# KiCad board EasyRP2040.kicad_pcb
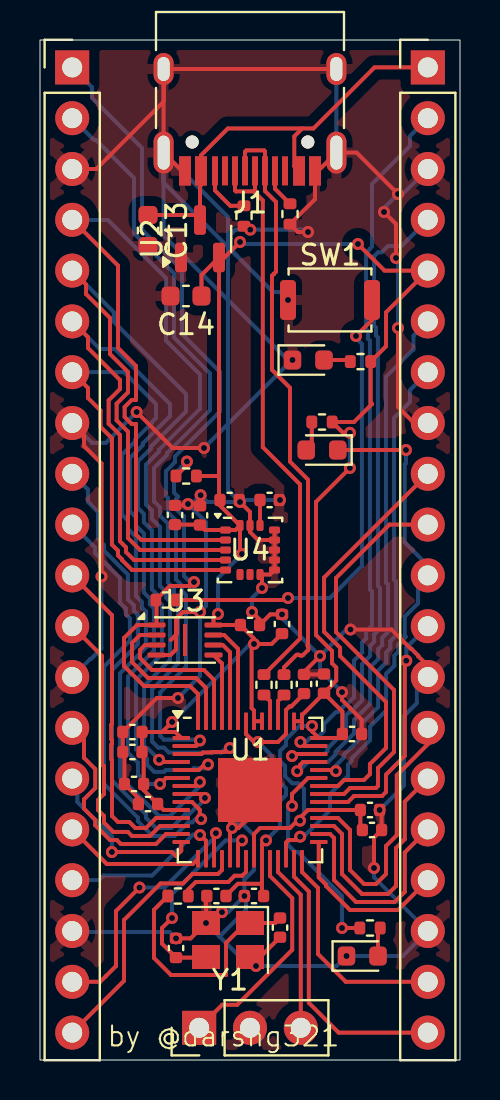
[diagram p0: board, top side]
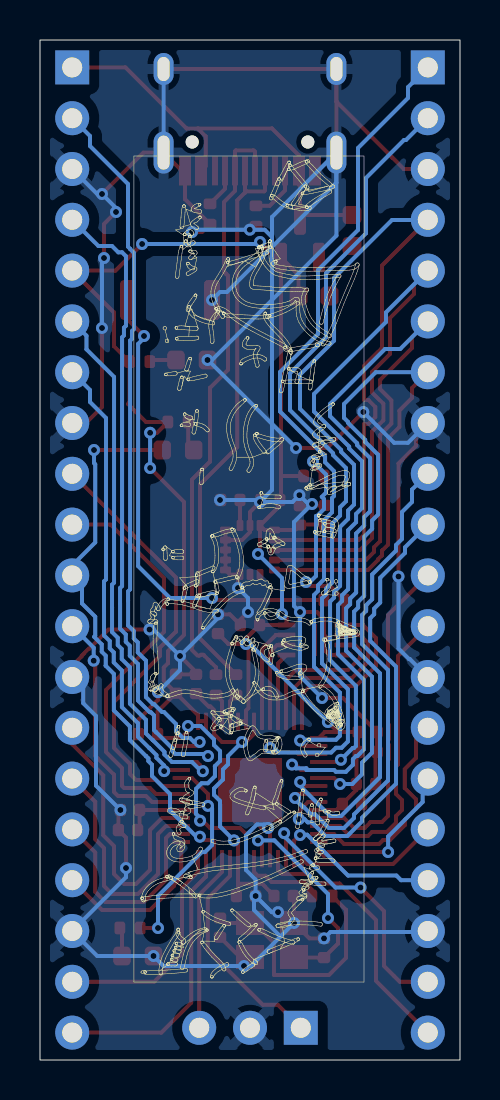
[diagram p1: board, bottom side, seen from below]

Outline 21 x 51 mm; copper layers: Top, Bottom. Coordinates in mm from the lower left corner of the outline.
Outline path: rectangle 0,51 21,0

## Placement (name value [footprint] x y rotation side)
C1  0.1uF  [C_0402_1005Metric]  12.1 21.8 90 top
C2  0.1uF  [C_0402_1005Metric]  4.62 15.4 180 top
C3  0.1uF  [C_0402_1005Metric]  4.7 13.8 180 top
C4  0.1uF  [C_0402_1005Metric]  14.2 18.82 90 top
C5  0.1uF  [C_0402_1005Metric]  16.5 12.5 0 top
C6  0.1uF  [C_0402_1005Metric]  5.4 12.8 180 top
C7  0.1uF  [C_0402_1005Metric]  4.62 16.4 180 top
C8  0.1uF  [C_0402_1005Metric]  15.6 16.3 0 top
C9  1uF  [C_0402_1005Metric]  16.6 11.5 0 top
C10  0.1uF  [C_0402_1005Metric]  10.7 8.2 180 top
C11  0.1uF  [C_0402_1005Metric]  8.82 8.2 180 top
C12  1uF  [C_0402_1005Metric]  13.2 18.8 90 top
C13  10uF  [C_0603_1608Metric]  5.4 41.47 270 top
C14  10uF  [C_0603_1608Metric]  7.3 38.2 180 top
C15  33pF  [C_0402_1005Metric]  6.8 5.6 270 top
C16  33pF  [C_0402_1005Metric]  12 6.62 90 top
C17  0.1uF  [C_0402_1005Metric]  10.5 21.75 0 top
C18  0.1uF  [C_0402_1005Metric]  11.48 28 0 top
C19  10nF  [C_0402_1005Metric]  9.48 28 0 top
C20  0.1uF  [C_0402_1005Metric]  8 27.23 270 top
C21  2.2uF  [C_0402_1005Metric]  6.75 27.25 270 top
D1  LED  [LED_0603_1608Metric]  13.41 35 0 top
D2  LED  [LED_0603_1608Metric]  14.1 30.5 180 top
D3  LED  [LED_0603_1608Metric]  16.11 5.2 0 top
J1  USB_C_Receptacle_USB2.0_14P  [USB_C_Receptacle_HRO_TYPE-C-31-M-12]  10.5 48.5 180 top
J2  Conn_01x20  [PinHeader_1x20_P2.54mm_Vertical]  1.61 49.63 0 top
J3  Conn_01x20  [PinHeader_1x20_P2.54mm_Vertical]  19.39 49.63 0 top
J4  Conn_01x03  [PinHeader_1x03_P2.54mm_Vertical]  7.96 1.61 90 top
R1  5.1K  [R_0402_1005Metric]  12.5 42.3 270 top
R2  5.1K  [R_0402_1005Metric]  10.2 42.2 270 top
R3  27  [R_0402_1005Metric]  11.2 18.76 270 top
R4  27  [R_0402_1005Metric]  12.2 18.76 270 top
R5  1K  [R_0402_1005Metric]  6.9 8.2 0 top
R6  10K  [R_0402_1005Metric]  7.31 29.2 180 top
R7  1K  [R_0402_1005Metric]  6.3 23 0 top
R8  680  [R_0402_1005Metric]  16.03 34.92 180 top
R9  680  [R_0402_1005Metric]  14.1 31.9 180 top
R10  680  [R_0402_1005Metric]  16.5 6.6 0 top
SW1  SW_Push  [SW_Push_SPST_NO_Alps_SKRK]  14.5 38 0 top
U1  RP2040  [QFN-56-1EP_7x7mm_P0.4mm_EP3.2x3.2mm]  10.5 13.5 0 top
U2  MCP1700x-330xxTT  [SOT-23]  8 41.06 90 top
U3  W25Q128JVS  [Winbond_USON-8-1EP_3x2mm_P0.5mm_EP0.2x1.6mm]  7.25 21 0 top
U4  ICM-20602  [LGA-16_3x3mm_P0.5mm_LayoutBorder3x5y]  10.5 25.5 0 top
Y1  12MHz  [Crystal_SMD_3225-4Pin_3.2x2.5mm]  9.4 6 180 top

## Library data of the parts
C1-C21 = -: Description: Unpolarized capacitor; ki_fp_filters: C_*
D1-D3 = -: Description: Light emitting diode; Sim.Pins: 1=K 2=A; ki_fp_filters: LED* LED_SMD:* LED_THT:*
J1 = -: Datasheet: https://www.usb.org/sites/default/files/documents/usb_type-c.zip; Description: USB 2.0-only 14P Type-C Receptacle connector; ki_fp_filters: USB*C*Receptacle*
J2 J3 = -: Description: Generic connector, single row, 01x20, script generated (kicad-library-utils/schlib/autogen/connector/); ki_fp_filters: Connector*:*_1x??_*
J4 = -: Description: Generic connector, single row, 01x03, script generated (kicad-library-utils/schlib/autogen/connector/); ki_fp_filters: Connector*:*_1x??_*
R1-R10 = -: Description: Resistor; ki_fp_filters: R_*
SW1 = -: Description: Push button switch, generic, two pins
U1 = -: Datasheet: https://datasheets.raspberrypi.com/rp2040/rp2040-datasheet.pdf; Description: A microcontroller by Raspberry Pi; ki_fp_filters: QFN*1EP*7x7mm?P0.4mm*
U2 = -: Datasheet: http://ww1.microchip.com/downloads/en/DeviceDoc/20001826D.pdf; Description: 250mA Low Quiscent Current LDO, 3.3V output, SOT-23; ki_fp_filters: SOT?23*
U3 = -: Datasheet: https://www.winbond.com/resource-files/w25q128jv_dtr%20revc%2003272018%20plus.pdf; Description: 128Mbit / 16MiB Serial Flash Memory, Standard/Dual/Quad SPI, 2.7-3.6V, SOIC-8; ki_fp_filters: *SOIC*5.3x5.3mm*P1.27mm*
U4 = -: Datasheet: http://www.invensense.com/wp-content/uploads/2016/10/DS-000176-ICM-20602-v1.0.pdf; Description: High performance 6-Axis MEMS motion tracking, SPI/I2C interface, LGA-16; ki_fp_filters: LGA*3x3mm*P0.5mm*
Y1 = -: Description: Four pin crystal, GND on pins 2 and 4; ki_fp_filters: Crystal*

## Footprints (pads in the part's own frame, mm; a bottom-side part is the same pattern mirrored in y, then rotated)
C_0402_1005Metric
  rrect 0.56x0.62 smd: 1(-0.48,0) 2(0.48,0)
C_0603_1608Metric
  rrect 0.9x0.95 smd: 1(-0.775,0) 2(0.775,0)
Crystal_SMD_3225-4Pin_3.2x2.5mm
  rect 1.4x1.2 smd: 1(-1.1,-0.85) 2(1.1,-0.85) 3(1.1,0.85) 4(-1.1,0.85)
LED_0603_1608Metric
  rrect 0.875x0.95 smd: 1(-0.787,0) 2(0.787,0)
LGA-16_3x3mm_P0.5mm_LayoutBorder3x5y
  rrect 0.55x0.35 smd: 1(-1.225,1) 2(-1.225,0.5) 3(-1.225,0) 4(-1.225,-0.5) 5(-1.225,-1) 9(1.225,-1) 10(1.225,-0.5) 11(1.225,0) 12(1.225,0.5) 13(1.225,1)
  rrect 0.35x0.55 smd: 6(-0.5,-1.225) 7(0,-1.225) 8(0.5,-1.225) 14(0.5,1.225) 15(0,1.225) 16(-0.5,1.225)
PinHeader_1x03_P2.54mm_Vertical
  rect 1.7x1.7 hole 1: 1(0,0)
  round 1.7 hole 1: 2(0,-2.54) 3(0,-5.08)
PinHeader_1x20_P2.54mm_Vertical
  rect 1.7x1.7 hole 1: 1(0,0)
  round 1.7 hole 1: 2(0,-2.54) 3(0,-5.08) 4(0,-7.62) 5(0,-10.16) 6(0,-12.7) 7(0,-15.24) 8(0,-17.78) 9(0,-20.32) 10(0,-22.86) 11(0,-25.4) 12(0,-27.94) 13(0,-30.48) 14(0,-33.02) 15(0,-35.56) 16(0,-38.1) 17(0,-40.64) 18(0,-43.18) 19(0,-45.72) 20(0,-48.26)
QFN-56-1EP_7x7mm_P0.4mm_EP3.2x3.2mm
  rrect 1.29x1.29 smd: (-0.8,0.8) (-0.8,-0.8) (0.8,0.8) (0.8,-0.8)
  rrect 0.875x0.2 smd: 1(-3.438,2.6) 2(-3.438,2.2) 3(-3.438,1.8) 4(-3.438,1.4) 5(-3.438,1) 6(-3.438,0.6) 7(-3.438,0.2) 8(-3.438,-0.2) 9(-3.438,-0.6) 10(-3.438,-1) 11(-3.438,-1.4) 12(-3.438,-1.8) 13(-3.438,-2.2) 14(-3.438,-2.6) 29(3.438,-2.6) 30(3.438,-2.2) 31(3.438,-1.8) 32(3.438,-1.4) 33(3.438,-1) 34(3.438,-0.6) 35(3.438,-0.2) 36(3.438,0.2) 37(3.438,0.6) 38(3.438,1) 39(3.438,1.4) 40(3.438,1.8) 41(3.438,2.2) 42(3.438,2.6)
  rrect 0.2x0.875 smd: 15(-2.6,-3.438) 16(-2.2,-3.438) 17(-1.8,-3.438) 18(-1.4,-3.438) 19(-1,-3.438) 20(-0.6,-3.438) 21(-0.2,-3.438) 22(0.2,-3.438) 23(0.6,-3.438) 24(1,-3.438) 25(1.4,-3.438) 26(1.8,-3.438) 27(2.2,-3.438) 28(2.6,-3.438) 43(2.6,3.438) 44(2.2,3.438) 45(1.8,3.438) 46(1.4,3.438) 47(1,3.438) 48(0.6,3.438) 49(0.2,3.438) 50(-0.2,3.438) 51(-0.6,3.438) 52(-1,3.438) 53(-1.4,3.438) 54(-1.8,3.438) 55(-2.2,3.438) 56(-2.6,3.438)
  rect 3.2x3.2 smd: 57(0,0)
R_0402_1005Metric
  rrect 0.54x0.64 smd: 1(-0.51,0) 2(0.51,0)
SOT-23
  rrect 1.475x0.6 smd: 1(-0.938,0.95) 2(-0.938,-0.95) 3(0.938,0)
SW_Push_SPST_NO_Alps_SKRK
  rrect 0.8x2 smd: 1(-2.1,0) 2(2.1,0)
USB_C_Receptacle_HRO_TYPE-C-31-M-12
  round 0.65 hole 0.65 unplated: (-2.89,2.6) (2.89,2.6)
  rect 0.6x1.45 smd: A1(-3.25,4.045) A4(-2.45,4.045) A9(2.45,4.045) A12(3.25,4.045) B1(3.25,4.045) B4(2.45,4.045) B9(-2.45,4.045) B12(-3.25,4.045)
  rect 0.3x1.45 smd: A5(-1.25,4.045) A6(-0.25,4.045) A7(0.25,4.045) A8(1.25,4.045) B5(1.75,4.045) B6(0.75,4.045) B7(-0.75,4.045) B8(-1.75,4.045)
  oval 1x2.1 hole 0.6x1.7: S1(-4.32,3.13) S1(4.32,3.13)
  oval 1x1.6 hole 0.6x1.2: S1(-4.32,-1.05) S1(4.32,-1.05)
Winbond_USON-8-1EP_3x2mm_P0.5mm_EP0.2x1.6mm
  rrect 0.16x1.29 smd: (0,0)
  rrect 0.9x0.25 smd: 1(-1.425,0.75) 2(-1.425,0.25) 3(-1.425,-0.25) 4(-1.425,-0.75) 5(1.425,-0.75) 6(1.425,-0.25) 7(1.425,0.25) 8(1.425,0.75)
  rect 0.2x1.6 smd: 9(0,0)

## Nets
+1V1: C10.1 C11.1 C12.1 U1.23 U1.45 U1.50
+3V3: C1.1 C2.1 C3.1 C4.1 C5.1 C6.1 C7.1 C8.1 C9.1 C14.1 C17.1 C19.1 C20.2 C21.2 J3.5 R6.1 R8.1 R9.1 U1.1 U1.10 U1.22 U1.33 U1.42 U1.43 U1.44 U1.48 U1.49 U2.2 U3.8 U4.1 U4.16
GND: C1.2 C2.2 C3.2 C4.2 C5.2 C6.2 C7.2 C8.2 C9.2 C10.2 C11.2 C12.2 C13.2 C14.2 C15.1 C16.1 C17.2 C18.2 C19.2 C20.1 C21.1 D1.1 D3.1 J1.A1 J1.A12 J1.B1 J1.B12 J1.S1 J2.3 J2.8 J2.13 J2.18 J3.3 J3.8 J3.13 J3.18 J4.2 R1.2 R2.2 SW1.1 U1.19 U1.57 U2.1 U3.4 U4.8 U4.9 U4.10 U4.11 U4.12 U4.13 U4.15 Y1.2 Y1.4
VBUS: C13.1 J1.A4 J1.A9 J1.B4 J1.B9 J3.1 U2.3
GPIO0: J2.1 U1.2
GPIO1: J2.2 U1.3
GPIO2: J2.4 U1.4 U4.2
GPIO3: J2.5 U1.5 U4.3
GPIO4: J2.6 U1.6 U4.4
GPIO5: J2.7 U1.7 U4.5
GPIO6: J2.9 U1.8
GPIO7: J2.10 U1.9
GPIO8: J2.11 U1.11
GPIO9: J2.12 U1.12
GPIO10: J2.14 U1.13
GPIO11: J2.15 U1.14
GPIO12: J2.16 U1.15
GPIO13: J2.17 U1.16
GPIO14: J2.19 U1.17
GPIO15: J2.20 U1.18
GPIO16: J3.20 U1.27
GPIO17: J3.19 U1.28
GPIO18: J3.17 U1.29
GPIO19: J3.16 U1.30
GPIO20: J3.15 U1.31
GPIO21: J3.14 U1.32
GPIO22: J3.12 U1.34
GPIO23: J3.10 U1.35
GPIO24: J3.9 U1.36
GPIO25: R10.1 U1.37
GPIO26_ADC0: J3.7 U1.38
GPIO27_ADC1: J3.6 U1.39
GPIO28_ADC2: J3.4 U1.40
GPIO29_ADC3: J3.2 U1.41
QSPI_CLK: U1.52 U3.6
QSPI_SD0: U1.53 U3.5
QSPI_SD1: U1.55 U3.2
QSPI_SD2: U1.54 U3.3
QSPI_SD3: U1.51 U3.7
QSPI_SS: R6.2 R7.1 U1.56 U3.1
RUN: D2.1 J3.11 U1.26
SWCLK: J4.1 U1.24
SWD: J4.3 U1.25
USB_D+: J1.A6 J1.B6 R3.1
USB_D-: J1.A7 J1.B7 R4.1
XIN: C15.2 U1.20 Y1.3
XOUT: R5.2 U1.21
Net-(C16-Pad2): C16.2 R5.1 Y1.1
Net-(D1-A): D1.2 R8.2
Net-(D2-A): D2.2 R9.2
Net-(D3-A): D3.2 R10.2
Net-(J1-CC1): J1.A5 R1.1
Net-(J1-CC2): J1.B5 R2.1
Net-(R7-Pad2): R7.2 SW1.2
Net-(U1-USB_DM): R4.2 U1.46
Net-(U1-USB_DP): R3.2 U1.47
Net-(U4-REGOUT): C18.1 U4.14

Pads without a net: J1 A8 B8; U3 9; U4 6 7

## Via types
v1: diameter 0.6, hole 0.3, Top to Bottom, 71 vias

## Routing (per net, layer and track width the routed paths; a pad name or vN(x,y) marks a point on that pad's centre or on a via; arc(x,y) is an arc through that point)
+1V1: length 16.5
  Top w0.2: v1(10.9,15.9) 10.7,15.9 ; 10.7,15.9 10.3,16.3 U1.50 ; 10.7,15.9 11.9,15.9 12.3,16.3 U1.45 12.3,17.5 12.48,17.68 12.57,17.68 13.2,18.31 C12.1 ; 11.1,8.8 U1.23 11.1,10.8 11.28,10.98 v1(11.3,10.98) ; 11.1,8.8 11.1,8.28 C10.1 ; 11.1,8.8 11.09,8.81 9.89,8.81 9.3,8.22 C11.1
  Bottom w0.2: v1(11.3,10.98) 12,11.68 12,12.76 12,12.77 12,12.95 12.3,13.25 12.3,13.58 11.85,14.02 11.85,14.53 11.6,14.78 11.6,15.2 v1(10.9,15.9)
+3V3: length 108.4
  Top w0.2: C7.1 6.1,16.4 v1(6.6,16.9) ; C7.1 C2.1 5.18,15.32 C3.1 5.18,13.5 C6.1 6.18,12.5 U1.10 ; C7.1 6.76,16.4 U1.1 ; U2.2 8.07,39.25 C14.1 ; U2.2 9.22,40.12 v1(10,40.9) ; U2.2 8.95,29.2 ; C8.1 15.12,17.42 C4.1 ; C8.1 15.02,16.4 ; C8.1 14.92,16.1 U1.42 13.6,16.44 v1(13.6,16.7) ; v1(15.9,40.8) 17.23,39.47 J3.5 17.3,37.38 17.3,35.69 R8.1 16.53,32.86 16.6,32.8 15.7,31.9 R9.1 15.15,31.36 v1(15.5,31.36) ; 8.95,29.2 8.95,28.05 C19.1 9,27.72 U4.16 ; 8.95,29.2 R6.1 ; U4.16 10,25.4 v1(10.1,25.3) ; U4.16 9.78,26.5 U4.1 8.25,26.5 C20.2 7.98,26.77 C21.2 ; v1(10.7,20.8) 10.7,21.07 C17.1 U3.8 8.68,22.08 v1(8.9,22.3) ; v1(10.7,20.8) 11.58,20.8 C1.1 ; v1(10.7,20.8) 10.58,20.68 10.58,17.59 10.7,17.47 U1.49 U1.48 ; v1(15.5,29.6) 13.8,27.91 13.8,21.25 14.6,20.45 14.6,19.95 14.6,19.95 14.6,19.84 14.81,19.63 14.81,18.97 14.6,18.76 14.6,18.74 C4.1 ; 16.14,12.48 16.12,12.5 ; 16.1,11.48 C9.1 ; U1.22 10.7,11.3 11,11.6 12.5,11.6 12.86,11.96 v1(13,11.96) 13,12.11 13.39,12.5 U1.33 C5.1 16.02,11.5 16.1,11.42 ; C4.1 13.1,17.24 U1.43 U1.44
  Bottom w0.2: v1(10,40.9) 10.1,40.8 v1(15.9,40.8) ; v1(6.6,16.9) 10.5,20.8 v1(10.7,20.8) ; v1(15.5,29.6) v1(15.5,31.36) ; v1(13,11.96) 13,12.11 13.2,12.31 13.2,13.05 13.2,13.05 13.2,13.56 12.92,13.84 12.6,13.84 12.25,14.19 12.25,14.69 12.26,14.69 12,14.95 12,15.45 12.3,15.75 12.3,16.03 12.97,16.7 v1(13.6,16.7) ; v1(8.9,22.3) 8.9,24.1 v1(10.1,25.3)
GND: length 242.3
  Top w0.2: 3.38,45.12 6.18,47.92 J1.S1 ; 3.38,45.12 2.81,44.55 J2.3 ; 3.38,45.12 3.5,45.24 ; U1.19 9.5,12.5 U1.57 10.5,12.18 9.92,11.6 v1(9.6,11.6) ; v1(9.1,7.39) 8.56,6.85 v1(8.3,6.85) ; C8.2 16.08,17.02 15.52,17.58 15.52,17.59 15.1,18.01 15.1,18.39 v1(15.1,18.39) ; J3.18 19.35,6.45 19.1,6.2 ; v1(16.7,9.6) 16.7,11.12 C9.2 17.08,12.4 v1(16.98,12.5) ; v1(17.9,43.3) 15.83,45.37 J1.S1 13.91,44.45 J1.A1 13.75,43.04 R1.2 12.89,41.4 v1(13.4,41.4) ; J1.S1 J1.S1 7.09,44.45 J1.A12 ; J1.S1 J1.S1 14.82,49.22 ; v1(8.3,6.85) 7.53,6.08 v1(6.8,6.08) ; v1(8.3,6.85) 8.3,8.16 C11.2 ; C18.2 v1(12,28) ; C20.1 8,28.21 v1(8.03,28.24) ; v1(17.9,36.6) 17.9,36.6 17.9,32.65 18.7,31.85 J3.8 ; v1(12.1,22.28) 11.51,22.28 C17.2 10.98,22.02 v1(10.6,22.4) ; v1(8.2,30.6) 6.63,30.6 v1(4.83,32.4) ; U4.12 10.9,26 10.5,26.4 U4.15 10.5,27.4 v1(10,27.9) 9.96,27.94 C19.2 ; U4.12 U4.13 ; U4.12 U4.11 U4.10 U4.9 11.5,24.28 U4.8 11.1,24.17 v1(11.1,23.6) ; 7.15,22.4 v1(8,22.4) ; 7.15,22.4 6.85,22.1 6.85,21.31 6.54,21 ; 7.15,22.4 6.8,22.05 6.8,20.53 6.52,20.25 U3.4 ; 1.61,31.29 J2.8 2.2,31.26 2.2,30.7 3.08,29.82 v1(3.08,24.18) ; v1(6.9,18.1) 5.84,18.1 C7.2 C2.2 4.22,15.32 C3.2 4.92,13.1 C6.2 ; C21.1 7.33,27.73 v1(7.4,27.8) ; v1(15.52,21.52) 17.58,21.52 18.53,20.57 18.56,20.57 18.91,20.21 18.91,20.19 19.39,19.71 J3.13 19.39,18.39 ; v1(10.51,41.51) 10.34,41.69 R2.2 ; v1(17.2,42.4) 17.8,41.8 v1(17.8,40.1) ; C4.2 14.18,19.28 C12.2 13.2,19.4 v1(14,20.2) ; C16.1 11.01,5.15 Y1.4 10.5,5 v1(10.8,4.7) ; J2.13 1.65,19.15
  Bottom w0.2: J3.13 18.84,18.6 18.84,17.84 18.2,17.2 18.2,13.72 v1(16.98,12.5) ; v1(17.2,42.4) 17.2,42.6 v1(17.9,43.3) 18.14,43.3 J3.3 ; v1(15.52,21.52) 15.32,21.52 v1(14,20.2) ; J1.S1 6.18,43.87 11.65,38.4 12,38.4 v1(12.4,38) ; J1.S1 9.4,42.15 9.4,28.5 v1(10,27.9) ; J1.S1 6.18,41.22 12.4,35 v1(12.62,35) 12.6,35 v1(8.2,30.6) ; v1(11.1,23.6) 10.6,23.1 v1(10.6,22.4) ; v1(13.4,41.4) 13.29,41.51 v1(10.51,41.51) 9.76,41.51 9.4,41.15 9.4,40.65 9.85,40.2 ; 8.97,6.17 10.45,4.7 11.5,4.7 ; 8.97,6.17 v1(8.3,6.85) ; 8.97,6.17 10.3,7.5 10.3,8.1 ; J1.S1 J1.S1 ; v1(17.8,40.1) 17.9,40 v1(17.9,36.6) ; v1(10.8,4.7) 11.5,4.7 ; 11.5,4.7 14.82,4.7 v1(15.32,5.2) 18.14,5.2 J3.18 16.7,9.14 v1(16.7,9.6) ; J2.8 2.6,30.86 3.29,30.86 v1(4.83,32.4) ; v1(12.1,22.28) 12.1,22.1 v1(14,20.2) ; v1(15.1,18.39) 14,19.49 v1(14,20.2) ; v1(6.9,18.1) 8,19.2 v1(8,22.4) 8.3,22.7 8.3,26.9 v1(7.4,27.8) 7.59,27.8 v1(8.03,28.24) 8.37,27.9 v1(10,27.9) ; J2.13 2.51,20.05 2.55,20.05 3.08,20.58 v1(3.08,24.18) ; v1(9.1,7.39) 9.41,7.39 v1(10.22,8.2) 10.22,9.02 10.7,9.5 10.7,11.23 10.15,11.78 9.78,11.78 v1(9.6,11.6) ; v1(10,27.9) 10.1,28 v1(12,28) ; J2.18 1.66,6.4 6.48,6.4 v1(6.8,6.08)
VBUS: length 21.7
  Top w0.2: J3.1 16.72,49.63 13.67,46.58 13.11,46.58 ; 13.11,46.58 9.39,46.58 8.05,45.23 J1.A9 8.05,43.75 8,43.7 U2.3 ; 13.11,46.58 12.71,46.18 12.71,44.69 J1.A4 ; U2.3 7.75,42.25 C13.1 ; U2.3 7.84,41.83
GPIO0: length 41.7
  Top w0.2: U1.2 7.8,15.7 8,15.9 v1(8,15.98)
  Bottom w0.2: J2.1 2.6,48.64 2.6,48.1 5.1,45.6 5.1,41.5 7.1,39.5 7.1,36.3 9,34.4 9,32.42 6.75,30.17 6.75,29.89 6.3,29.44 6.3,28.2 6.4,28.1 6.4,27.38 6.8,26.98 6.8,24.03 7.1,23.73 7.1,23.45 7.3,23.25 7.3,19.66 6,18.37 6,16.21 6.2,16.01 7.96,16.01 v1(8,15.98)
GPIO1: length 43
  Top w0.2: U1.3 8.08,15.3 8.15,15.38 8.6,15.38 8.6,15.4 9.29,15.4 v1(9.49,15.6)
  Bottom w0.2: v1(9.49,15.6) 9.3,15.6 9.08,15.38 6.44,15.38 6.2,15.61 5.92,15.61 5.6,15.93 5.6,18.53 6.9,19.83 6.9,23.08 6.7,23.28 6.7,23.57 6.4,23.87 6.4,26.82 6,27.22 6,27.64 5.7,27.94 5.7,29.6 6.35,30.25 6.35,30.34 8.5,32.49 8.5,34.33 6.7,36.13 6.7,39.33 4.7,41.33 4.7,44.1 2.8,46 2.7,46 J2.2
GPIO2: length 56.7
  Top w0.2: J2.4 3.9,39.72 3.9,35.6 4.8,34.7 4.8,33 4.58,33 4.23,32.65 4.23,32.15 4.58,31.8 4.8,31.8 4.8,26.27 5.07,26 U4.2 ; U1.4 6.06,14.9 5.95,15.01 v1(5.95,15.01)
  Bottom w0.2: v1(5.95,15.01) 5.36,15.6 5.3,15.6 5.2,15.7 5.2,18.7 6.5,20 6.5,22.92 6.3,23.12 6.3,23.4 6,23.7 6,26.65 5.6,27.05 5.6,27.47 5.3,27.77 5.3,29.77 5.94,30.41 5.94,30.5 8,32.56 8,34.27 6.3,35.97 6.3,39.1 3.4,42 1.62,42 J2.4
GPIO3: length 54.3
  Top w0.2: U1.5 7.94,14.5 8.22,14.77 v1(8.4,14.77) ; U4.3 5,25.5 4.4,26.1 4.4,31.42 3.83,31.98 3.83,32.82 4.4,33.38 4.4,34.4 3.5,35.3 3.5,37.1 2.3,38.3 2.3,38.78 J2.5
  Bottom w0.2: J2.5 3.7,37.38 3.7,36.9 7.3,33.3 7.3,32.43 5.54,30.67 5.54,30.58 4.9,29.93 4.9,27.6 5.2,27.31 5.2,26.89 5.6,26.49 5.6,23.54 5.9,23.24 5.9,22.95 6.1,22.75 6.1,20.3 4.8,19 4.8,15.53 5.13,15.2 5.2,15.2 5.35,15.04 5.35,14.76 5.71,14.41 6.2,14.41 6.29,14.5 7.68,14.5 7.68,14.58 7.68,14.58 8.21,14.58 v1(8.4,14.77)
GPIO4: length 47.9
  Top w0.2: v1(6,13.8) 6.3,14.1 U1.6 ; U4.4 4.7,25 4.3,25.4 4.3,25.63 4,25.93 4,31.25 3.43,31.82 3.43,32.98 4,33.55 4,34 2.4,35.6 2.4,36.14 J2.6
  Bottom w0.2: J2.6 2.99,35.55 3.75,35.55 6.5,32.8 6.5,32.19 5.14,30.84 5.14,30.74 4.5,30.1 4.5,27.44 4.79,27.14 4.79,26.72 5.19,26.32 5.19,23.37 5.5,23.07 5.5,22.79 5.7,22.59 5.7,20.46 4.4,19.17 4.4,15.36 4.9,14.87 4.9,14.29 5.39,13.8 v1(6,13.8)
GPIO5: length 47.7
  Top w0.2: U1.7 7.79,13.7 v1(7.99,13.9) ; U4.5 4.6,24.5 4.1,25 4.1,25.03 3.9,25.23 3.9,25.47 3.6,25.77 3.6,31.09 3.03,31.65 3.03,32.47 2.4,33.1 2.4,33.6 J2.7
  Bottom w0.2: v1(7.99,13.9) 7.99,13.7 6.49,12.2 5.94,12.2 4,14.14 4,15.2 4,19.33 5.29,20.63 5.29,22.42 5.09,22.62 5.09,22.9 4.79,23.2 4.79,26.15 4.39,26.55 4.39,26.97 4.1,27.27 4.1,30.26 4.74,30.91 4.74,31 5.6,31.86 5.6,31.91 5.8,32.11 5.8,32.8 4.21,34.39 J2.7
GPIO6: length 25
  Top w0.2: U1.8 8.24,13.3 8.25,13.29 v1(8.25,13.1)
  Bottom w0.2: v1(8.25,13.1) 8.25,13.04 7.87,12.66 7.82,12.66 7.45,12.28 7.25,12.28 6.56,11.6 5.8,11.6 5.3,12.1 5.3,12.28 3.6,13.98 3.6,15.03 3.6,19.5 4.89,20.79 4.89,22.25 4.69,22.45 4.69,22.74 4.39,23.04 4.39,24.27 3.2,25.47 3.2,25.75 2.9,26.05 2.9,27.4 2.4,27.9 2.4,28.52 J2.9
GPIO7: length 22.7
  Top w0.2: v1(8.06,12.05) 7.99,12.11 7.99,12.51 7.6,12.9 U1.9
  Bottom w0.2: v1(8.06,12.05) 7.78,12.05 7.61,11.88 7.41,11.88 6.73,11.2 5.63,11.2 4.9,11.93 4.9,12.11 3.2,13.81 3.2,14.87 3.2,14.87 3.2,19.66 4.49,20.96 4.49,22.09 4.29,22.29 4.29,22.57 3.99,22.87 3.99,24.11 2.75,25.35 2.75,25.63 J2.10
GPIO8: length 16.8
  Top w0.2: U1.11 5.8,12.1 5.3,11.6 4.77,11.6 4.47,11.9 3.9,11.9 3.6,12.2 3.6,15 3.56,15.04 3.56,15.76 3.6,15.8 3.6,16 3.56,16.04 3.56,16.76 3.6,16.8 3.6,22.24 J2.11
GPIO9: length 15.1
  Top w0.2: J2.12 3.1,20.2 3.1,14.77 3.17,14.7 3.2,14.7 3.2,13.3 2.9,13 2.9,12.5 3.2,12.2 3.2,11.87 3.67,11.4 4.4,11.4 4.6,11.2 5.5,11.2 6,11.7 U1.12
GPIO10: length 10.8
  Top w0.2: J2.14 2.2,16.02 2.2,15.11 2.76,14.55 2.76,13.59 2.2,13.03 2.2,12.57 2.76,12.01 ; 2.76,12.01 2.76,11.74 3.5,11 3.84,11 4.04,10.8 5.8,10.8 6.3,11.3 U1.13 ; 2.76,12.01 2.76,11.94
GPIO11: length 8.6
  Top w0.2: v1(3.59,10.4) 6.6,10.4 6.8,10.2 7.06,10.46 U1.14
  Bottom w0.2: v1(3.59,10.4) 3.59,11.17 1.87,12.9 1.87,13.81 J2.15
GPIO12: length 7.1
  Top w0.2: J2.16 3.34,9.8 7.64,9.8 U1.15
GPIO13: length 8.7
  Top w0.2: U1.16 8.3,10.96 8.02,11.25 v1(8,11.25)
  Bottom w0.2: v1(8,11.25) 7.98,11.26 7.64,11.26 5.6,9.22 3.18,9.22 2.95,8.99 J2.17
GPIO14: length 14.1
  Top w0.2: v1(8.79,11.34) 8.71,11.34 8.7,11.33 U1.17 ; v1(4.97,8.62) 3.8,7.45 3.8,4.7 3.01,3.91 J2.19 2.16,4.46
  Bottom w0.2: v1(4.97,8.62) 6.22,8.62 8.78,11.18 8.78,11.33 v1(8.79,11.34)
GPIO15: length 13.2
  Top w0.2: U1.18 9.1,9.5 8.9,9.3 7.62,9.3 7.15,8.83 6.03,8.83 4.2,7 4.2,3.96 J2.20
GPIO16: length 14.1
  Top w0.2: J3.20 14.93,1.37 13.44,2.86 13.44,8.43 12.7,9.17 U1.27
GPIO17: length 11.2
  Top w0.2: U1.28 13.1,9.4 13.9,8.6 13.9,5.3 15.29,3.91 J3.19
GPIO18: length 8.6
  Top w0.2: J3.17 17.9,7.5 15.5,7.5 14.3,8.7 14.3,8.77 13.94,9.13 U1.29
GPIO19: length 10.7
  Top w0.2: J3.16 18.24,10.38 18.24,8.41 17.73,7.9 15.8,7.9 14.7,9 14.7,11.1 14.5,11.3 U1.30
GPIO20: length 12.6
  Top w0.2: J3.15 18.24,12.92 18.24,11.04 17.8,10.6 17.8,8.7 17.4,8.3 16.1,8.3 15.1,9.3 15.1,11.3 14.7,11.7 U1.31
GPIO21: length 14.3
  Top w0.2: U1.32 14.9,12.1 15.5,11.5 15.5,9.5 16.2,8.8 16.8,8.8 17.3,9.3 17.3,10.7 17.84,11.24 17.84,14.24 19.39,15.79 J3.14
GPIO22: length 12.7
  Top w0.2: v1(18.31,19.97) 18.24,19.89 18.24,15.21 17.3,14.27 17.3,13.4 17.1,13.2 15.7,13.2 15.4,12.9 U1.34
  Bottom w0.2: v1(18.31,19.97) 18.31,20.61 J3.12
GPIO23: length 20.8
  Top w0.2: U1.35 15.2,13.3 15.5,13.6 16.8,13.6 16.9,13.7 16.9,14.6 17.7,15.4 17.7,18.5 14.8,21.4 14.8,24.1 17.47,26.77 J3.10
GPIO24: length 21.6
  Top w0.2: U1.36 14.9,13.7 15.2,14 16.2,14 16.5,14.3 16.5,14.8 17.3,15.6 17.3,17.9 15,20.2 15,20.62 14.2,21.42 14.2,24.12 J3.9
GPIO25: length 10.6
  Top w0.2: U1.37 13.4,14.1 12.6,13.3 12.6,12.71 v1(12.6,12.71) ; v1(15.1,6.6) R10.1
  Bottom w0.2: v1(15.1,6.6) 15.1,8.2 12.9,10.4 12.75,10.4 12.4,10.75 12.4,12.6 12.51,12.71 v1(12.6,12.71)
GPIO26_ADC0: length 22.8
  Top w0.2: U1.38 14.73,14.5 14.79,14.45 v1(14.79,14.45)
  Bottom w0.2: v1(14.79,14.45) 14.79,14.45 14.79,14.72 15.18,15.11 15.18,15.24 15.53,15.59 15.53,15.59 16.1,16.16 16.1,16.5 16.1,16.5 16.1,16.84 16.9,17.64 16.9,19.47 17.31,19.88 17.31,20.38 17.51,20.58 17.51,20.95 17.8,21.23 17.8,22.47 17.8,22.47 17.8,23.93 17.7,24.03 17.7,32.1 18.5,32.9 18.5,33.5 J3.7
GPIO27_ADC1: length 27.3
  Top w0.2: U1.39 13.15,14.9 13,14.75 13,14.6 12.85,14.45 12.85,14.44 v1(12.86,14.44)
  Bottom w0.2: v1(12.86,14.44) 12.85,14.44 12.85,14.45 12.9,14.5 13,14.5 13.4,14.9 13.44,14.9 13.44,14.9 14.4,14.9 14.78,15.28 14.78,15.41 15.36,15.99 15.37,15.99 15.7,16.33 15.7,16.67 15.7,16.67 15.7,17.01 16.5,17.81 16.5,19.64 16.91,20.04 16.91,20.55 17.11,20.75 17.11,21.11 17.4,21.4 17.4,22.64 17.4,22.64 17.4,23.76 17.3,23.86 17.3,34.16 18.68,35.54 18.68,36.22 J3.6
GPIO28_ADC2: length 32.7
  Top w0.2: U1.40 12.7,15.3 v1(12.6,15.2)
  Bottom w0.2: v1(12.6,15.2) 12.7,15.3 12.77,15.3 12.77,15.3 13.27,15.3 14.23,15.3 14.38,15.44 14.38,15.58 15.19,16.39 15.2,16.39 15.3,16.49 15.3,16.83 15.3,16.83 15.3,17.23 15.46,17.39 15.52,17.39 16.1,17.98 16.1,19.8 16.51,20.21 16.51,20.71 16.71,20.91 16.71,21.28 17,21.57 17,22.8 17,22.8 17,23.6 16.9,23.7 16.9,36.13 16.8,36.23 16.8,36.62 16.7,36.72 16.7,40.19 16.9,40.38 17.08,40.38 17.4,40.7 18.08,40.7 J3.4
GPIO29_ADC3: length 35.5
  Top w0.2: v1(13.02,15.9) 13.22,15.7 U1.41
  Bottom w0.2: J3.2 18.5,46.2 18.5,45.7 16.6,43.8 16.6,40.67 16.5,40.56 16.5,40.55 16.3,40.35 16.3,36.55 16.4,36.45 16.4,36.06 16.5,35.97 16.5,23.53 16.6,23.43 16.6,22.97 16.6,22.97 16.6,21.73 16.31,21.44 16.31,21.08 16.11,20.88 16.11,20.38 15.7,19.97 15.7,18.14 15.35,17.79 15.29,17.79 14.9,17.4 14.8,17.4 14.2,16.8 14.2,16.45 13.85,16.1 13.5,16.1 13.3,15.9 v1(13.02,15.9)
QSPI_CLK: length 4.4
  Top w0.2: U3.6 9.14,20.75 9.5,20.39 U1.52
QSPI_SD0: length 3.5
  Top w0.2: U1.53 9.1,19.83 U3.5
QSPI_SD1: length 8.2
  Top w0.2: U3.2 5,21.25 4.6,20.85 4.6,19.9 5.4,19.1 7.8,19.1 8.3,18.6 U1.55
QSPI_SD2: length 7.5
  Top w0.2: U3.3 5.25,20.75 5,20.5 5,20.1 5.6,19.5 8.2,19.5 8.7,19 U1.54
QSPI_SD3: length 5.1
  Top w0.2: U1.51 9.9,20.56 9.21,21.25 U3.7
QSPI_SS: length 20.4
  Top w0.2: U1.56 7.9,18.3 7.5,18.7 5.2,18.7 4.2,19.7 4.2,21.1 4.85,21.75 U3.1 5.82,22.97 R7.1 6.49,23.7 7.48,23.7 7.68,23.9 v1(7.7,23.9) ; v1(7.35,29.92) 7.35,29.75 R6.2
  Bottom w0.2: v1(7.7,23.9) 7.5,23.9 7.2,24.2 7.2,27.2 7.15,27.2 6.8,27.55 6.8,28.05 6.91,28.16 6.7,28.37 6.7,29.28 v1(7.35,29.92)
RUN: length 27.9
  Top w0.2: D2.1 v1(18.3,30.5) ; U1.26 12.3,10.87 12.42,11 12.84,11 v1(13.01,11.16)
  Bottom w0.2: v1(13.01,11.16) 13.01,10.99 14.5,12.48 14.5,13.3 15.4,14.2 15.4,14.76 15.58,14.94 15.58,15.08 15.69,15.19 15.7,15.19 16.5,16 16.5,16.33 16.5,16.34 16.5,16.68 17.31,17.48 17.31,19.31 17.71,19.71 17.71,19.72 17.71,20.21 17.91,20.41 17.91,20.78 18.29,21.16 18.24,21.21 18.24,22.17 18.9,22.83 18.9,23.74 J3.11 19.39,24.73 18.24,25.88 18.24,29.79 18.3,29.85 v1(18.3,30.5)
SWCLK: length 11.3
  Top w0.2: U1.24 11.5,9.2 12.61,8.09 12.61,5.51 9.86,2.76 9.11,2.76 J4.1
SWD: length 8.9
  Top w0.2: U1.25 11.9,9.4 13.04,8.26 J4.3
USB_D+: length 29.8
  Top w0.2: R3.1 13,21.07 13,28.78 11.14,30.64 11.14,42.98 10.75,43.37 J1.A6 10.75,43.5 10.68,43.43 9.8,43.43 9.75,43.48 J1.B6
USB_D-: length 30
  Top w0.2: R4.1 12.2,19.63 12.81,20.24 arc(12.89,20.28) 12.98,20.24 arc(13.06,20.21) 13.14,20.24 13.4,20.5 arc(13.43,20.58) 13.4,20.67 arc(13.37,20.75) 13.4,20.83 13.4,29.02 12.5,29.92 12.5,33.61 11.6,34.51 11.6,39.21 11.69,39.3 11.7,39.3 11.7,39.31 11.8,39.41 11.8,42.9 11.25,43.45 J1.B7 11.25,45.43 11.2,45.48 10.32,45.48 10.25,45.41 J1.A7
XIN: length 10.8
  Top w0.2: v1(10.1,10.98) 9.9,10.78 U1.20 ; v1(6.6,7.1) 6.1,6.6 6.1,5.82 C15.2 8.27,5.12 Y1.3
  Bottom w0.2: v1(10.1,10.98) 9.28,10.98 6.6,8.3 v1(6.6,7.1)
XOUT: length 4.2
  Top w0.2: U1.21 10.3,9.4 10.11,9.21 9.73,9.21 9.42,8.9 7.79,8.9 7.41,8.52 R5.2
Net-(C16-Pad2): length 12.2
  Top w0.2: Y1.1 10.3,6.85 9.3,5.85 9.3,4.25 6.55,4.25 5.7,5.1 5.7,7.51 R5.1 ; Y1.1 11.75,6.85 C16.2 ; Y1.1 10.49,6.86
Net-(D1-A): length 1.2
  Top w0.2: D1.2 15.44,35
Net-(D2-A): length 1.5
  Top w0.2: D2.2 13.59,30.78 R9.2
Net-(D3-A): length 1.4
  Top w0.2: D3.2 16.9,6.49 R10.2
Net-(J1-CC1): length 2
  Top w0.2: R1.1 11.75,43.56 J1.A5
Net-(J1-CC2): length 2.7
  Top w0.2: J1.B5 8.75,43.48 9.52,42.71 R2.1
Net-(R7-Pad2): length 23.7
  Top w0.2: v1(15.8,36.2) 16.6,37 SW1.2 ; R7.2 12.3,23 v1(12.4,23.1)
  Bottom w0.2: v1(15.8,36.2) 15.8,36.1 16.09,35.8 16.09,24.69 14.5,23.1 v1(12.4,23.1)
Net-(U1-USB_DM): length 1.4
  Top w0.2: R4.2 11.9,17.95 U1.46
Net-(U1-USB_DP): length 1.4
  Top w0.2: U1.47 11.5,17.95 R3.2
Net-(U4-REGOUT): length 1.3
  Top w0.2: C18.1 U4.14

## Copper pours and planes (outline as drawn; the poured copper is in the pictures)
GND on Top, Bottom: 0,51 21,51 20.6,0.1 0,0

## Text on the board
F.Silkscreen: by @darshg321
